# KiCad board RP2040-Breadstick Panel.kicad_pcb (continued)
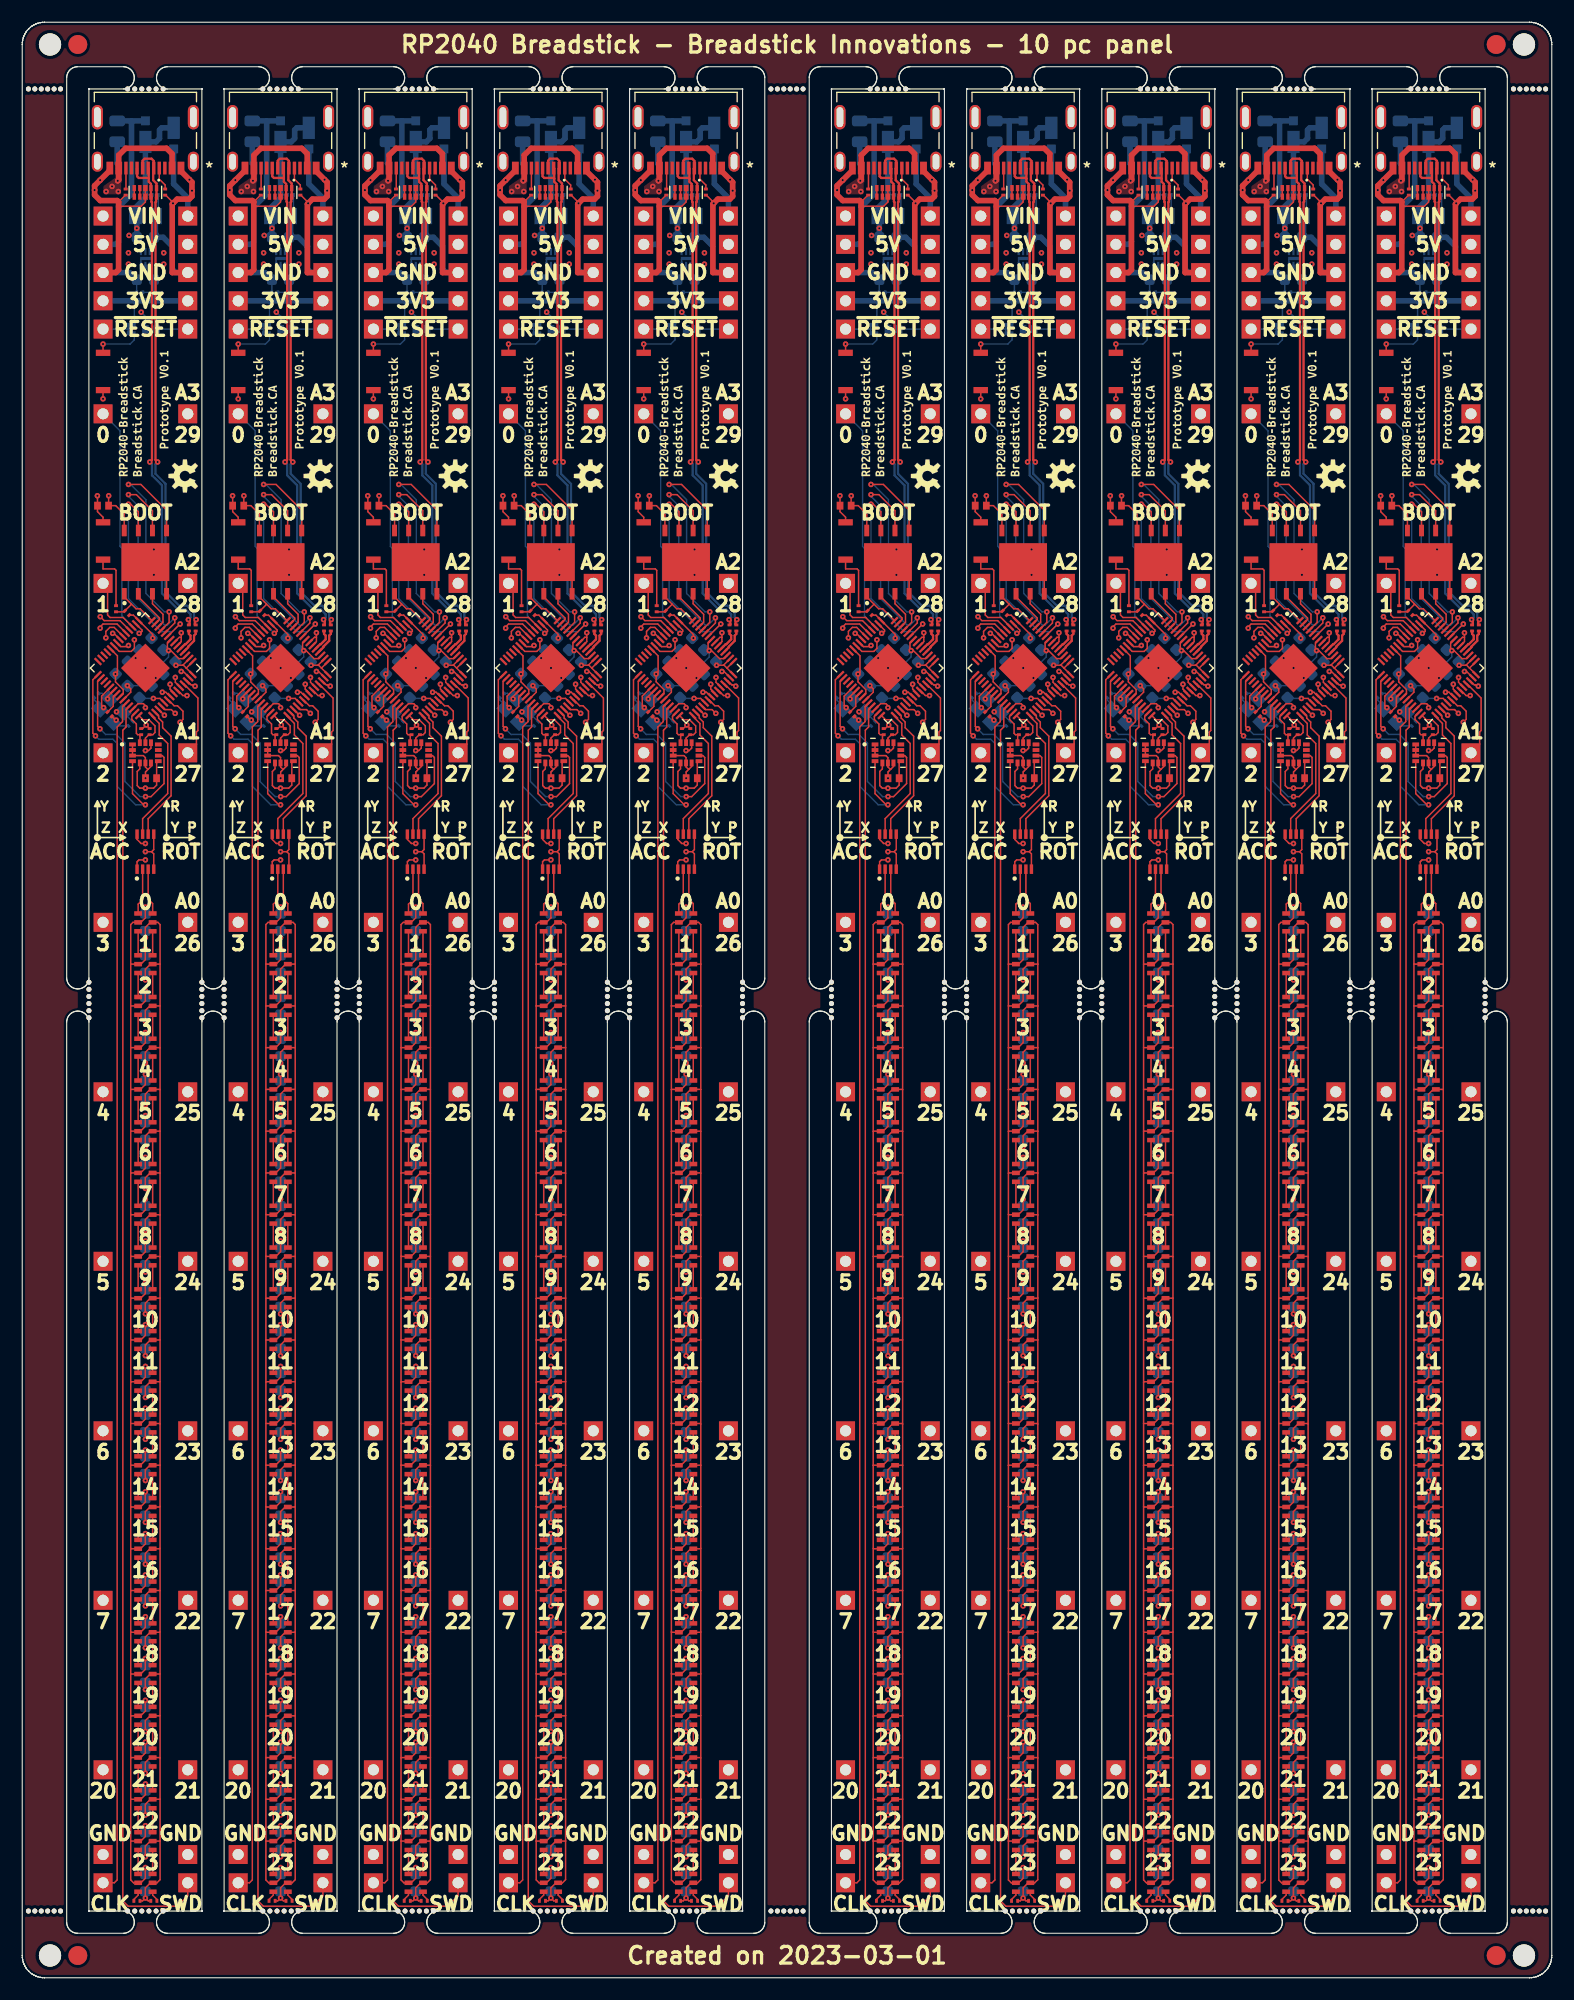
[diagram p0: board, top side]
## Placement (name value [footprint] x y rotation side) (continued)
C319#6  2.2uF 0603 10V  [C_0603_1608Metric]  126.52 34.82 270 bottom
C319#7  2.2uF 0603 10V  [C_0603_1608Metric]  11.08 34.82 270 bottom
C319#8  2.2uF 0603 10V  [C_0603_1608Metric]  77.88 34.82 270 bottom
C319#9  2.2uF 0603 10V  [C_0603_1608Metric]  102.2 34.82 270 bottom
C319#10  2.2uF 0603 10V  [C_0603_1608Metric]  59.72 34.82 270 bottom
C320  2.2uF 0603 10V  [C_0603_1608Metric]  59.72 31.07 270 bottom
C320#2  2.2uF 0603 10V  [C_0603_1608Metric]  77.88 31.07 270 bottom
C320#3  2.2uF 0603 10V  [C_0603_1608Metric]  114.36 31.07 270 bottom
C320#4  2.2uF 0603 10V  [C_0603_1608Metric]  11.08 31.07 270 bottom
C320#5  2.2uF 0603 10V  [C_0603_1608Metric]  102.2 31.07 270 bottom
C320#6  2.2uF 0603 10V  [C_0603_1608Metric]  23.24 31.07 270 bottom
C320#7  2.2uF 0603 10V  [C_0603_1608Metric]  126.52 31.07 270 bottom
C320#8  2.2uF 0603 10V  [C_0603_1608Metric]  35.4 31.07 270 bottom
C320#9  2.2uF 0603 10V  [C_0603_1608Metric]  47.56 31.07 270 bottom
C320#10  2.2uF 0603 10V  [C_0603_1608Metric]  90.04 31.07 270 bottom
C321  2.2uF 0603 10V  [C_0603_1608Metric]  77.88 27.31 270 bottom
C321#2  2.2uF 0603 10V  [C_0603_1608Metric]  90.04 27.31 270 bottom
C321#3  2.2uF 0603 10V  [C_0603_1608Metric]  126.52 27.31 270 bottom
C321#4  2.2uF 0603 10V  [C_0603_1608Metric]  114.36 27.31 270 bottom
C321#5  2.2uF 0603 10V  [C_0603_1608Metric]  47.56 27.31 270 bottom
C321#6  2.2uF 0603 10V  [C_0603_1608Metric]  59.72 27.31 270 bottom
C321#7  2.2uF 0603 10V  [C_0603_1608Metric]  35.4 27.31 270 bottom
C321#8  2.2uF 0603 10V  [C_0603_1608Metric]  102.2 27.31 270 bottom
C321#9  2.2uF 0603 10V  [C_0603_1608Metric]  11.08 27.31 270 bottom
C321#10  2.2uF 0603 10V  [C_0603_1608Metric]  23.24 27.31 270 bottom
C322  2.2uF 0603 10V  [C_0603_1608Metric]  114.36 23.56 270 bottom
C322#2  2.2uF 0603 10V  [C_0603_1608Metric]  102.2 23.56 270 bottom
C322#3  2.2uF 0603 10V  [C_0603_1608Metric]  35.4 23.56 270 bottom
C322#4  2.2uF 0603 10V  [C_0603_1608Metric]  11.08 23.56 270 bottom
C322#5  2.2uF 0603 10V  [C_0603_1608Metric]  23.24 23.56 270 bottom
C322#6  2.2uF 0603 10V  [C_0603_1608Metric]  126.52 23.56 270 bottom
C322#7  2.2uF 0603 10V  [C_0603_1608Metric]  47.56 23.56 270 bottom
C322#8  2.2uF 0603 10V  [C_0603_1608Metric]  90.04 23.56 270 bottom
C322#9  2.2uF 0603 10V  [C_0603_1608Metric]  59.72 23.56 270 bottom
C322#10  2.2uF 0603 10V  [C_0603_1608Metric]  77.88 23.56 270 bottom
C323  2.2uF 0603 10V  [C_0603_1608Metric]  102.2 19.8 270 bottom
C323#2  2.2uF 0603 10V  [C_0603_1608Metric]  59.72 19.8 270 bottom
C323#3  2.2uF 0603 10V  [C_0603_1608Metric]  77.88 19.8 270 bottom
C323#4  2.2uF 0603 10V  [C_0603_1608Metric]  126.52 19.8 270 bottom
C323#5  2.2uF 0603 10V  [C_0603_1608Metric]  35.4 19.8 270 bottom
C323#6  2.2uF 0603 10V  [C_0603_1608Metric]  47.56 19.8 270 bottom
C323#7  2.2uF 0603 10V  [C_0603_1608Metric]  90.04 19.8 270 bottom
C323#8  2.2uF 0603 10V  [C_0603_1608Metric]  23.24 19.8 270 bottom
C323#9  2.2uF 0603 10V  [C_0603_1608Metric]  11.08 19.8 270 bottom
C323#10  2.2uF 0603 10V  [C_0603_1608Metric]  114.36 19.8 270 bottom
C324  2.2uF 0603 10V  [C_0603_1608Metric]  90.04 16.05 270 bottom
C324#2  2.2uF 0603 10V  [C_0603_1608Metric]  126.52 16.05 270 bottom
C324#3  2.2uF 0603 10V  [C_0603_1608Metric]  35.4 16.05 270 bottom
C324#4  2.2uF 0603 10V  [C_0603_1608Metric]  11.08 16.05 270 bottom
C324#5  2.2uF 0603 10V  [C_0603_1608Metric]  114.36 16.05 270 bottom
C324#6  2.2uF 0603 10V  [C_0603_1608Metric]  23.24 16.05 270 bottom
C324#7  2.2uF 0603 10V  [C_0603_1608Metric]  102.2 16.05 270 bottom
C324#8  2.2uF 0603 10V  [C_0603_1608Metric]  47.56 16.05 270 bottom
C324#9  2.2uF 0603 10V  [C_0603_1608Metric]  59.72 16.05 270 bottom
C324#10  2.2uF 0603 10V  [C_0603_1608Metric]  77.88 16.05 270 bottom
C325  2.2uF 0603 10V  [C_0603_1608Metric]  114.36 12.29 270 bottom
C325#2  2.2uF 0603 10V  [C_0603_1608Metric]  90.04 12.29 270 bottom
C325#3  2.2uF 0603 10V  [C_0603_1608Metric]  77.88 12.29 270 bottom
C325#4  2.2uF 0603 10V  [C_0603_1608Metric]  47.56 12.29 270 bottom
C325#5  2.2uF 0603 10V  [C_0603_1608Metric]  23.24 12.29 270 bottom
C325#6  2.2uF 0603 10V  [C_0603_1608Metric]  102.2 12.29 270 bottom
C325#7  2.2uF 0603 10V  [C_0603_1608Metric]  11.08 12.29 270 bottom
C325#8  2.2uF 0603 10V  [C_0603_1608Metric]  59.72 12.29 270 bottom
C325#9  2.2uF 0603 10V  [C_0603_1608Metric]  35.4 12.29 270 bottom
C325#10  2.2uF 0603 10V  [C_0603_1608Metric]  126.52 12.29 270 bottom
C326  2.2uF 0603 10V  [C_0603_1608Metric]  59.72 8.54 270 bottom
C326#2  2.2uF 0603 10V  [C_0603_1608Metric]  77.88 8.54 270 bottom
C326#3  2.2uF 0603 10V  [C_0603_1608Metric]  23.24 8.54 270 bottom
C326#4  2.2uF 0603 10V  [C_0603_1608Metric]  126.52 8.54 270 bottom
C326#5  2.2uF 0603 10V  [C_0603_1608Metric]  47.56 8.54 270 bottom
C326#6  2.2uF 0603 10V  [C_0603_1608Metric]  35.4 8.54 270 bottom
C326#7  2.2uF 0603 10V  [C_0603_1608Metric]  114.36 8.54 270 bottom
C326#8  2.2uF 0603 10V  [C_0603_1608Metric]  11.08 8.54 270 bottom
C326#9  2.2uF 0603 10V  [C_0603_1608Metric]  102.2 8.54 270 bottom
C326#10  2.2uF 0603 10V  [C_0603_1608Metric]  90.04 8.54 270 bottom
C401  1uF 0402 10V  [Perfect_0402_Cap]  78.39 107.85 90 top
C401#2  1uF 0402 10V  [Perfect_0402_Cap]  11.59 107.85 90 top
C401#3  1uF 0402 10V  [Perfect_0402_Cap]  102.71 107.85 90 top
C401#4  1uF 0402 10V  [Perfect_0402_Cap]  48.07 107.85 90 top
C401#5  1uF 0402 10V  [Perfect_0402_Cap]  127.03 107.85 90 top
C401#6  1uF 0402 10V  [Perfect_0402_Cap]  23.75 107.85 90 top
C401#7  1uF 0402 10V  [Perfect_0402_Cap]  114.87 107.85 90 top
C401#8  1uF 0402 10V  [Perfect_0402_Cap]  60.23 107.85 90 top
C401#9  1uF 0402 10V  [Perfect_0402_Cap]  35.91 107.85 90 top
C401#10  1uF 0402 10V  [Perfect_0402_Cap]  90.55 107.85 90 top
C501  47uF 0805 6.3V Tant  [CAPC2012X140N]  102.2 158.4 0 bottom
C501#2  47uF 0805 6.3V Tant  [CAPC2012X140N]  35.4 158.4 0 bottom
C501#3  47uF 0805 6.3V Tant  [CAPC2012X140N]  23.24 158.4 0 bottom
C501#4  47uF 0805 6.3V Tant  [CAPC2012X140N]  126.52 158.4 0 bottom
C501#5  47uF 0805 6.3V Tant  [CAPC2012X140N]  90.04 158.4 0 bottom
C501#6  47uF 0805 6.3V Tant  [CAPC2012X140N]  114.36 158.4 0 bottom
C501#7  47uF 0805 6.3V Tant  [CAPC2012X140N]  77.88 158.4 0 bottom
C501#8  47uF 0805 6.3V Tant  [CAPC2012X140N]  47.56 158.4 0 bottom
C501#9  47uF 0805 6.3V Tant  [CAPC2012X140N]  11.08 158.4 0 bottom
C501#10  47uF 0805 6.3V Tant  [CAPC2012X140N]  59.72 158.4 0 bottom
C502  2.2uF 0603 10V  [C_0603_1608Metric]  90.04 156.5 0 bottom
C502#2  2.2uF 0603 10V  [C_0603_1608Metric]  59.72 156.5 0 bottom
C502#3  2.2uF 0603 10V  [C_0603_1608Metric]  114.36 156.5 0 bottom
C502#4  2.2uF 0603 10V  [C_0603_1608Metric]  23.24 156.5 0 bottom
C502#5  2.2uF 0603 10V  [C_0603_1608Metric]  126.52 156.5 0 bottom
C502#6  2.2uF 0603 10V  [C_0603_1608Metric]  35.4 156.5 0 bottom
C502#7  2.2uF 0603 10V  [C_0603_1608Metric]  11.08 156.5 0 bottom
C502#8  2.2uF 0603 10V  [C_0603_1608Metric]  102.2 156.5 0 bottom
C502#9  2.2uF 0603 10V  [C_0603_1608Metric]  47.56 156.5 0 bottom
C502#10  2.2uF 0603 10V  [C_0603_1608Metric]  77.88 156.5 0 bottom
C503  2.2uF 0603 10V  [C_0603_1608Metric]  59.72 152.69 180 bottom
C503#2  2.2uF 0603 10V  [C_0603_1608Metric]  11.08 152.69 180 bottom
C503#3  2.2uF 0603 10V  [C_0603_1608Metric]  114.36 152.69 180 bottom
C503#4  2.2uF 0603 10V  [C_0603_1608Metric]  47.56 152.69 180 bottom
C503#5  2.2uF 0603 10V  [C_0603_1608Metric]  35.4 152.69 180 bottom
C503#6  2.2uF 0603 10V  [C_0603_1608Metric]  126.52 152.69 180 bottom
C503#7  2.2uF 0603 10V  [C_0603_1608Metric]  77.88 152.69 180 bottom
C503#8  2.2uF 0603 10V  [C_0603_1608Metric]  23.24 152.69 180 bottom
C503#9  2.2uF 0603 10V  [C_0603_1608Metric]  102.2 152.69 180 bottom
C503#10  2.2uF 0603 10V  [C_0603_1608Metric]  90.04 152.69 180 bottom
D501  2A  [DIO_V2PM15HM3_H]  80.42 165.39 270 bottom
D501#2  2A  [DIO_V2PM15HM3_H]  116.9 165.39 270 bottom
D501#3  2A  [DIO_V2PM15HM3_H]  92.58 165.39 270 bottom
D501#4  2A  [DIO_V2PM15HM3_H]  25.78 165.39 270 bottom
D501#5  2A  [DIO_V2PM15HM3_H]  13.62 165.39 270 bottom
D501#6  2A  [DIO_V2PM15HM3_H]  104.74 165.39 270 bottom
D501#7  2A  [DIO_V2PM15HM3_H]  129.06 165.39 270 bottom
D501#8  2A  [DIO_V2PM15HM3_H]  37.94 165.39 270 bottom
D501#9  2A  [DIO_V2PM15HM3_H]  50.1 165.39 270 bottom
D501#10  2A  [DIO_V2PM15HM3_H]  62.26 165.39 270 bottom
D502  2A  [DIO_V2PM15HM3_H]  90.04 166.02 90 bottom
D502#2  2A  [DIO_V2PM15HM3_H]  23.24 166.02 90 bottom
D502#3  2A  [DIO_V2PM15HM3_H]  126.52 166.02 90 bottom
D502#4  2A  [DIO_V2PM15HM3_H]  114.36 166.02 90 bottom
D502#5  2A  [DIO_V2PM15HM3_H]  59.72 166.02 90 bottom
D502#6  2A  [DIO_V2PM15HM3_H]  11.08 166.02 90 bottom
D502#7  2A  [DIO_V2PM15HM3_H]  77.88 166.02 90 bottom
D502#8  2A  [DIO_V2PM15HM3_H]  47.56 166.02 90 bottom
D502#9  2A  [DIO_V2PM15HM3_H]  102.2 166.02 90 bottom
D502#10  2A  [DIO_V2PM15HM3_H]  35.4 166.02 90 bottom
F501  4A USB PTC  [Fuse_0805_2012Metric]  45.02 166.02 90 bottom
F501#2  4A USB PTC  [Fuse_0805_2012Metric]  111.82 166.02 90 bottom
F501#3  4A USB PTC  [Fuse_0805_2012Metric]  75.34 166.02 90 bottom
F501#4  4A USB PTC  [Fuse_0805_2012Metric]  87.5 166.02 90 bottom
F501#5  4A USB PTC  [Fuse_0805_2012Metric]  32.86 166.02 90 bottom
F501#6  4A USB PTC  [Fuse_0805_2012Metric]  8.54 166.02 90 bottom
F501#7  4A USB PTC  [Fuse_0805_2012Metric]  123.98 166.02 90 bottom
F501#8  4A USB PTC  [Fuse_0805_2012Metric]  57.18 166.02 90 bottom
F501#9  4A USB PTC  [Fuse_0805_2012Metric]  99.66 166.02 90 bottom
F501#10  4A USB PTC  [Fuse_0805_2012Metric]  20.7 166.02 90 bottom
IC301  -  [74AXP2T45DCH]  90.04 101.25 90 top
IC301#2  -  [74AXP2T45DCH]  114.36 101.25 90 top
IC301#3  -  [74AXP2T45DCH]  11.08 101.25 90 top
IC301#4  -  [74AXP2T45DCH]  102.2 101.25 90 top
IC301#5  -  [74AXP2T45DCH]  59.72 101.25 90 top
IC301#6  -  [74AXP2T45DCH]  47.56 101.25 90 top
IC301#7  -  [74AXP2T45DCH]  23.24 101.25 90 top
IC301#8  -  [74AXP2T45DCH]  77.88 101.25 90 top
IC301#9  -  [74AXP2T45DCH]  35.4 101.25 90 top
IC301#10  -  [74AXP2T45DCH]  126.52 101.25 90 top
J201  Conn_01x01  [PinHeader_1x01_P2.54mm_Vertical]  27.05 148.24 180 bottom
J201#2  Conn_01x01  [PinHeader_1x01_P2.54mm_Vertical]  81.69 148.24 180 bottom
J201#3  Conn_01x01  [PinHeader_1x01_P2.54mm_Vertical]  130.33 148.24 180 bottom
J201#4  Conn_01x01  [PinHeader_1x01_P2.54mm_Vertical]  63.53 148.24 180 bottom
J201#5  Conn_01x01  [PinHeader_1x01_P2.54mm_Vertical]  51.37 148.24 180 bottom
J201#6  Conn_01x01  [PinHeader_1x01_P2.54mm_Vertical]  39.21 148.24 180 bottom
J201#7  Conn_01x01  [PinHeader_1x01_P2.54mm_Vertical]  118.17 148.24 180 bottom
J201#8  Conn_01x01  [PinHeader_1x01_P2.54mm_Vertical]  93.85 148.24 180 bottom
J201#9  Conn_01x01  [PinHeader_1x01_P2.54mm_Vertical]  106.01 148.24 180 bottom
J201#10  Conn_01x01  [PinHeader_1x01_P2.54mm_Vertical]  14.89 148.24 180 bottom
J202  Conn_01x01  [PinHeader_1x01_P2.54mm_Vertical]  39.21 79.66 180 bottom
J202#2  Conn_01x01  [PinHeader_1x01_P2.54mm_Vertical]  106.01 79.66 180 bottom
J202#3  Conn_01x01  [PinHeader_1x01_P2.54mm_Vertical]  93.85 79.66 180 bottom
J202#4  Conn_01x01  [PinHeader_1x01_P2.54mm_Vertical]  118.17 79.66 180 bottom
J202#5  Conn_01x01  [PinHeader_1x01_P2.54mm_Vertical]  130.33 79.66 180 bottom
J202#6  Conn_01x01  [PinHeader_1x01_P2.54mm_Vertical]  14.89 79.66 180 bottom
J202#7  Conn_01x01  [PinHeader_1x01_P2.54mm_Vertical]  51.37 79.66 180 bottom
J202#8  Conn_01x01  [PinHeader_1x01_P2.54mm_Vertical]  27.05 79.66 180 bottom
J202#9  Conn_01x01  [PinHeader_1x01_P2.54mm_Vertical]  81.69 79.66 180 bottom
J202#10  Conn_01x01  [PinHeader_1x01_P2.54mm_Vertical]  63.53 79.66 180 bottom
J203  Conn_01x01  [PinHeader_1x01_P2.54mm_Vertical]  27.05 18.7 180 bottom
J203#2  Conn_01x01  [PinHeader_1x01_P2.54mm_Vertical]  81.69 18.7 180 bottom
J203#3  Conn_01x01  [PinHeader_1x01_P2.54mm_Vertical]  14.89 18.7 180 bottom
J203#4  Conn_01x01  [PinHeader_1x01_P2.54mm_Vertical]  93.85 18.7 180 bottom
J203#5  Conn_01x01  [PinHeader_1x01_P2.54mm_Vertical]  118.17 18.7 180 bottom
J203#6  Conn_01x01  [PinHeader_1x01_P2.54mm_Vertical]  51.37 18.7 180 bottom
J203#7  Conn_01x01  [PinHeader_1x01_P2.54mm_Vertical]  63.53 18.7 180 bottom
J203#8  Conn_01x01  [PinHeader_1x01_P2.54mm_Vertical]  39.21 18.7 180 bottom
J203#9  Conn_01x01  [PinHeader_1x01_P2.54mm_Vertical]  106.01 18.7 180 bottom
J203#10  Conn_01x01  [PinHeader_1x01_P2.54mm_Vertical]  130.33 18.7 180 bottom
J204  Conn_01x01  [PinHeader_1x01_P2.54mm_Vertical]  7.27 18.7 180 bottom
J204#2  Conn_01x01  [PinHeader_1x01_P2.54mm_Vertical]  19.43 18.7 180 bottom
J204#3  Conn_01x01  [PinHeader_1x01_P2.54mm_Vertical]  86.23 18.7 180 bottom
J204#4  Conn_01x01  [PinHeader_1x01_P2.54mm_Vertical]  74.07 18.7 180 bottom
J204#5  Conn_01x01  [PinHeader_1x01_P2.54mm_Vertical]  110.55 18.7 180 bottom
J204#6  Conn_01x01  [PinHeader_1x01_P2.54mm_Vertical]  98.39 18.7 180 bottom
J204#7  Conn_01x01  [PinHeader_1x01_P2.54mm_Vertical]  122.71 18.7 180 bottom
J204#8  Conn_01x01  [PinHeader_1x01_P2.54mm_Vertical]  43.75 18.7 180 bottom
J204#9  Conn_01x01  [PinHeader_1x01_P2.54mm_Vertical]  31.59 18.7 180 bottom
J204#10  Conn_01x01  [PinHeader_1x01_P2.54mm_Vertical]  55.91 18.7 180 bottom
J205  Conn_01x01  [PinHeader_1x01_P2.54mm_Vertical]  74.07 140.62 180 bottom
J205#2  Conn_01x01  [PinHeader_1x01_P2.54mm_Vertical]  86.23 140.62 180 bottom
J205#3  Conn_01x01  [PinHeader_1x01_P2.54mm_Vertical]  19.43 140.62 180 bottom
J205#4  Conn_01x01  [PinHeader_1x01_P2.54mm_Vertical]  43.75 140.62 180 bottom
J205#5  Conn_01x01  [PinHeader_1x01_P2.54mm_Vertical]  31.59 140.62 180 bottom
J205#6  Conn_01x01  [PinHeader_1x01_P2.54mm_Vertical]  122.71 140.62 180 bottom
J205#7  Conn_01x01  [PinHeader_1x01_P2.54mm_Vertical]  110.55 140.62 180 bottom
J205#8  Conn_01x01  [PinHeader_1x01_P2.54mm_Vertical]  55.91 140.62 180 bottom
J205#9  Conn_01x01  [PinHeader_1x01_P2.54mm_Vertical]  7.27 140.62 180 bottom
J205#10  Conn_01x01  [PinHeader_1x01_P2.54mm_Vertical]  98.39 140.62 180 bottom
J206  Conn_01x01  [PinHeader_1x01_P2.54mm_Vertical]  19.43 125.38 180 bottom
J206#2  Conn_01x01  [PinHeader_1x01_P2.54mm_Vertical]  98.39 125.38 180 bottom
J206#3  Conn_01x01  [PinHeader_1x01_P2.54mm_Vertical]  7.27 125.38 180 bottom
J206#4  Conn_01x01  [PinHeader_1x01_P2.54mm_Vertical]  110.55 125.38 180 bottom
J206#5  Conn_01x01  [PinHeader_1x01_P2.54mm_Vertical]  122.71 125.38 180 bottom
J206#6  Conn_01x01  [PinHeader_1x01_P2.54mm_Vertical]  86.23 125.38 180 bottom
J206#7  Conn_01x01  [PinHeader_1x01_P2.54mm_Vertical]  31.59 125.38 180 bottom
J206#8  Conn_01x01  [PinHeader_1x01_P2.54mm_Vertical]  43.75 125.38 180 bottom
J206#9  Conn_01x01  [PinHeader_1x01_P2.54mm_Vertical]  55.91 125.38 180 bottom
J206#10  Conn_01x01  [PinHeader_1x01_P2.54mm_Vertical]  74.07 125.38 180 bottom
J207  Conn_01x01  [PinHeader_1x01_P2.54mm_Vertical]  55.91 110.14 180 bottom
J207#2  Conn_01x01  [PinHeader_1x01_P2.54mm_Vertical]  43.75 110.14 180 bottom
J207#3  Conn_01x01  [PinHeader_1x01_P2.54mm_Vertical]  31.59 110.14 180 bottom
J207#4  Conn_01x01  [PinHeader_1x01_P2.54mm_Vertical]  7.27 110.14 180 bottom
J207#5  Conn_01x01  [PinHeader_1x01_P2.54mm_Vertical]  19.43 110.14 180 bottom
J207#6  Conn_01x01  [PinHeader_1x01_P2.54mm_Vertical]  74.07 110.14 180 bottom
J207#7  Conn_01x01  [PinHeader_1x01_P2.54mm_Vertical]  110.55 110.14 180 bottom
J207#8  Conn_01x01  [PinHeader_1x01_P2.54mm_Vertical]  122.71 110.14 180 bottom
J207#9  Conn_01x01  [PinHeader_1x01_P2.54mm_Vertical]  98.39 110.14 180 bottom
J207#10  Conn_01x01  [PinHeader_1x01_P2.54mm_Vertical]  86.23 110.14 180 bottom
J208  Conn_01x01  [PinHeader_1x01_P2.54mm_Vertical]  55.91 94.9 180 bottom
J208#2  Conn_01x01  [PinHeader_1x01_P2.54mm_Vertical]  122.71 94.9 180 bottom
J208#3  Conn_01x01  [PinHeader_1x01_P2.54mm_Vertical]  19.43 94.9 180 bottom
J208#4  Conn_01x01  [PinHeader_1x01_P2.54mm_Vertical]  98.39 94.9 180 bottom
J208#5  Conn_01x01  [PinHeader_1x01_P2.54mm_Vertical]  31.59 94.9 180 bottom
J208#6  Conn_01x01  [PinHeader_1x01_P2.54mm_Vertical]  7.27 94.9 180 bottom
J208#7  Conn_01x01  [PinHeader_1x01_P2.54mm_Vertical]  110.55 94.9 180 bottom
J208#8  Conn_01x01  [PinHeader_1x01_P2.54mm_Vertical]  74.07 94.9 180 bottom
J208#9  Conn_01x01  [PinHeader_1x01_P2.54mm_Vertical]  86.23 94.9 180 bottom
J208#10  Conn_01x01  [PinHeader_1x01_P2.54mm_Vertical]  43.75 94.9 180 bottom
J209  Conn_01x01  [PinHeader_1x01_P2.54mm_Vertical]  122.71 79.66 180 bottom
J209#2  Conn_01x01  [PinHeader_1x01_P2.54mm_Vertical]  55.91 79.66 180 bottom
J209#3  Conn_01x01  [PinHeader_1x01_P2.54mm_Vertical]  7.27 79.66 180 bottom
J209#4  Conn_01x01  [PinHeader_1x01_P2.54mm_Vertical]  110.55 79.66 180 bottom
J209#5  Conn_01x01  [PinHeader_1x01_P2.54mm_Vertical]  98.39 79.66 180 bottom
J209#6  Conn_01x01  [PinHeader_1x01_P2.54mm_Vertical]  19.43 79.66 180 bottom
J209#7  Conn_01x01  [PinHeader_1x01_P2.54mm_Vertical]  86.23 79.66 180 bottom
J209#8  Conn_01x01  [PinHeader_1x01_P2.54mm_Vertical]  74.07 79.66 180 bottom
J209#9  Conn_01x01  [PinHeader_1x01_P2.54mm_Vertical]  31.59 79.66 180 bottom
J209#10  Conn_01x01  [PinHeader_1x01_P2.54mm_Vertical]  43.75 79.66 180 bottom
J210  Conn_01x01  [PinHeader_1x01_P2.54mm_Vertical]  74.07 64.42 180 bottom
J210#2  Conn_01x01  [PinHeader_1x01_P2.54mm_Vertical]  31.59 64.42 180 bottom
J210#3  Conn_01x01  [PinHeader_1x01_P2.54mm_Vertical]  7.27 64.42 180 bottom
J210#4  Conn_01x01  [PinHeader_1x01_P2.54mm_Vertical]  86.23 64.42 180 bottom
J210#5  Conn_01x01  [PinHeader_1x01_P2.54mm_Vertical]  122.71 64.42 180 bottom
J210#6  Conn_01x01  [PinHeader_1x01_P2.54mm_Vertical]  98.39 64.42 180 bottom
J210#7  Conn_01x01  [PinHeader_1x01_P2.54mm_Vertical]  19.43 64.42 180 bottom
J210#8  Conn_01x01  [PinHeader_1x01_P2.54mm_Vertical]  55.91 64.42 180 bottom
J210#9  Conn_01x01  [PinHeader_1x01_P2.54mm_Vertical]  110.55 64.42 180 bottom
J210#10  Conn_01x01  [PinHeader_1x01_P2.54mm_Vertical]  43.75 64.42 180 bottom
J211  Conn_01x01  [PinHeader_1x01_P2.54mm_Vertical]  7.27 49.18 180 bottom
J211#2  Conn_01x01  [PinHeader_1x01_P2.54mm_Vertical]  110.55 49.18 180 bottom
J211#3  Conn_01x01  [PinHeader_1x01_P2.54mm_Vertical]  98.39 49.18 180 bottom
J211#4  Conn_01x01  [PinHeader_1x01_P2.54mm_Vertical]  43.75 49.18 180 bottom
J211#5  Conn_01x01  [PinHeader_1x01_P2.54mm_Vertical]  86.23 49.18 180 bottom
J211#6  Conn_01x01  [PinHeader_1x01_P2.54mm_Vertical]  122.71 49.18 180 bottom
J211#7  Conn_01x01  [PinHeader_1x01_P2.54mm_Vertical]  19.43 49.18 180 bottom
J211#8  Conn_01x01  [PinHeader_1x01_P2.54mm_Vertical]  55.91 49.18 180 bottom
J211#9  Conn_01x01  [PinHeader_1x01_P2.54mm_Vertical]  74.07 49.18 180 bottom
J211#10  Conn_01x01  [PinHeader_1x01_P2.54mm_Vertical]  31.59 49.18 180 bottom
J212  Conn_01x01  [PinHeader_1x01_P2.54mm_Vertical]  110.55 33.94 180 bottom
J212#2  Conn_01x01  [PinHeader_1x01_P2.54mm_Vertical]  122.71 33.94 180 bottom
J212#3  Conn_01x01  [PinHeader_1x01_P2.54mm_Vertical]  7.27 33.94 180 bottom
J212#4  Conn_01x01  [PinHeader_1x01_P2.54mm_Vertical]  98.39 33.94 180 bottom
J212#5  Conn_01x01  [PinHeader_1x01_P2.54mm_Vertical]  19.43 33.94 180 bottom
J212#6  Conn_01x01  [PinHeader_1x01_P2.54mm_Vertical]  55.91 33.94 180 bottom
J212#7  Conn_01x01  [PinHeader_1x01_P2.54mm_Vertical]  43.75 33.94 180 bottom
J212#8  Conn_01x01  [PinHeader_1x01_P2.54mm_Vertical]  86.23 33.94 180 bottom
J212#9  Conn_01x01  [PinHeader_1x01_P2.54mm_Vertical]  31.59 33.94 180 bottom
J212#10  Conn_01x01  [PinHeader_1x01_P2.54mm_Vertical]  74.07 33.94 180 bottom
J213  Conn_01x01  [PinHeader_1x01_P2.54mm_Vertical]  51.37 33.94 180 bottom
J213#2  Conn_01x01  [PinHeader_1x01_P2.54mm_Vertical]  130.33 33.94 180 bottom
J213#3  Conn_01x01  [PinHeader_1x01_P2.54mm_Vertical]  93.85 33.94 180 bottom
J213#4  Conn_01x01  [PinHeader_1x01_P2.54mm_Vertical]  106.01 33.94 180 bottom
J213#5  Conn_01x01  [PinHeader_1x01_P2.54mm_Vertical]  118.17 33.94 180 bottom
J213#6  Conn_01x01  [PinHeader_1x01_P2.54mm_Vertical]  39.21 33.94 180 bottom
J213#7  Conn_01x01  [PinHeader_1x01_P2.54mm_Vertical]  63.53 33.94 180 bottom
J213#8  Conn_01x01  [PinHeader_1x01_P2.54mm_Vertical]  14.89 33.94 180 bottom
J213#9  Conn_01x01  [PinHeader_1x01_P2.54mm_Vertical]  27.05 33.94 180 bottom
J213#10  Conn_01x01  [PinHeader_1x01_P2.54mm_Vertical]  81.69 33.94 180 bottom
J214  Conn_01x01  [PinHeader_1x01_P2.54mm_Vertical]  118.17 49.18 180 bottom
J214#2  Conn_01x01  [PinHeader_1x01_P2.54mm_Vertical]  63.53 49.18 180 bottom
J214#3  Conn_01x01  [PinHeader_1x01_P2.54mm_Vertical]  14.89 49.18 180 bottom
J214#4  Conn_01x01  [PinHeader_1x01_P2.54mm_Vertical]  93.85 49.18 180 bottom
J214#5  Conn_01x01  [PinHeader_1x01_P2.54mm_Vertical]  27.05 49.18 180 bottom
J214#6  Conn_01x01  [PinHeader_1x01_P2.54mm_Vertical]  39.21 49.18 180 bottom
J214#7  Conn_01x01  [PinHeader_1x01_P2.54mm_Vertical]  51.37 49.18 180 bottom
J214#8  Conn_01x01  [PinHeader_1x01_P2.54mm_Vertical]  130.33 49.18 180 bottom
J214#9  Conn_01x01  [PinHeader_1x01_P2.54mm_Vertical]  81.69 49.18 180 bottom
J214#10  Conn_01x01  [PinHeader_1x01_P2.54mm_Vertical]  106.01 49.18 180 bottom
J215  Conn_01x01  [PinHeader_1x01_P2.54mm_Vertical]  63.53 64.42 180 bottom
J215#2  Conn_01x01  [PinHeader_1x01_P2.54mm_Vertical]  51.37 64.42 180 bottom
J215#3  Conn_01x01  [PinHeader_1x01_P2.54mm_Vertical]  14.89 64.42 180 bottom
J215#4  Conn_01x01  [PinHeader_1x01_P2.54mm_Vertical]  130.33 64.42 180 bottom
J215#5  Conn_01x01  [PinHeader_1x01_P2.54mm_Vertical]  39.21 64.42 180 bottom
J215#6  Conn_01x01  [PinHeader_1x01_P2.54mm_Vertical]  106.01 64.42 180 bottom
J215#7  Conn_01x01  [PinHeader_1x01_P2.54mm_Vertical]  81.69 64.42 180 bottom
J215#8  Conn_01x01  [PinHeader_1x01_P2.54mm_Vertical]  27.05 64.42 180 bottom
J215#9  Conn_01x01  [PinHeader_1x01_P2.54mm_Vertical]  118.17 64.42 180 bottom
J215#10  Conn_01x01  [PinHeader_1x01_P2.54mm_Vertical]  93.85 64.42 180 bottom
J217  Conn_01x01  [PinHeader_1x01_P2.54mm_Vertical]  51.37 140.62 180 bottom
J217#2  Conn_01x01  [PinHeader_1x01_P2.54mm_Vertical]  63.53 140.62 180 bottom
J217#3  Conn_01x01  [PinHeader_1x01_P2.54mm_Vertical]  39.21 140.62 180 bottom
J217#4  Conn_01x01  [PinHeader_1x01_P2.54mm_Vertical]  27.05 140.62 180 bottom
J217#5  Conn_01x01  [PinHeader_1x01_P2.54mm_Vertical]  106.01 140.62 180 bottom
J217#6  Conn_01x01  [PinHeader_1x01_P2.54mm_Vertical]  93.85 140.62 180 bottom
J217#7  Conn_01x01  [PinHeader_1x01_P2.54mm_Vertical]  118.17 140.62 180 bottom
J217#8  Conn_01x01  [PinHeader_1x01_P2.54mm_Vertical]  81.69 140.62 180 bottom
J217#9  Conn_01x01  [PinHeader_1x01_P2.54mm_Vertical]  14.89 140.62 180 bottom
J217#10  Conn_01x01  [PinHeader_1x01_P2.54mm_Vertical]  130.33 140.62 180 bottom
J218  Conn_01x01  [PinHeader_1x01_P2.54mm_Vertical]  93.85 125.38 180 bottom
J218#2  Conn_01x01  [PinHeader_1x01_P2.54mm_Vertical]  106.01 125.38 180 bottom
J218#3  Conn_01x01  [PinHeader_1x01_P2.54mm_Vertical]  130.33 125.38 180 bottom
J218#4  Conn_01x01  [PinHeader_1x01_P2.54mm_Vertical]  39.21 125.38 180 bottom
J218#5  Conn_01x01  [PinHeader_1x01_P2.54mm_Vertical]  27.05 125.38 180 bottom
J218#6  Conn_01x01  [PinHeader_1x01_P2.54mm_Vertical]  14.89 125.38 180 bottom
J218#7  Conn_01x01  [PinHeader_1x01_P2.54mm_Vertical]  81.69 125.38 180 bottom
J218#8  Conn_01x01  [PinHeader_1x01_P2.54mm_Vertical]  118.17 125.38 180 bottom
J218#9  Conn_01x01  [PinHeader_1x01_P2.54mm_Vertical]  63.53 125.38 180 bottom
J218#10  Conn_01x01  [PinHeader_1x01_P2.54mm_Vertical]  51.37 125.38 180 bottom
J219  Conn_01x01  [PinHeader_1x01_P2.54mm_Vertical]  14.89 110.14 180 bottom
J219#2  Conn_01x01  [PinHeader_1x01_P2.54mm_Vertical]  27.05 110.14 180 bottom
J219#3  Conn_01x01  [PinHeader_1x01_P2.54mm_Vertical]  130.33 110.14 180 bottom
J219#4  Conn_01x01  [PinHeader_1x01_P2.54mm_Vertical]  51.37 110.14 180 bottom
J219#5  Conn_01x01  [PinHeader_1x01_P2.54mm_Vertical]  81.69 110.14 180 bottom
J219#6  Conn_01x01  [PinHeader_1x01_P2.54mm_Vertical]  39.21 110.14 180 bottom
J219#7  Conn_01x01  [PinHeader_1x01_P2.54mm_Vertical]  106.01 110.14 180 bottom
J219#8  Conn_01x01  [PinHeader_1x01_P2.54mm_Vertical]  118.17 110.14 180 bottom
J219#9  Conn_01x01  [PinHeader_1x01_P2.54mm_Vertical]  93.85 110.14 180 bottom
J219#10  Conn_01x01  [PinHeader_1x01_P2.54mm_Vertical]  63.53 110.14 180 bottom
J220  Conn_01x01  [PinHeader_1x01_P2.54mm_Vertical]  130.33 94.9 180 bottom
J220#2  Conn_01x01  [PinHeader_1x01_P2.54mm_Vertical]  63.53 94.9 180 bottom
J220#3  Conn_01x01  [PinHeader_1x01_P2.54mm_Vertical]  93.85 94.9 180 bottom
J220#4  Conn_01x01  [PinHeader_1x01_P2.54mm_Vertical]  27.05 94.9 180 bottom
J220#5  Conn_01x01  [PinHeader_1x01_P2.54mm_Vertical]  39.21 94.9 180 bottom
J220#6  Conn_01x01  [PinHeader_1x01_P2.54mm_Vertical]  51.37 94.9 180 bottom
J220#7  Conn_01x01  [PinHeader_1x01_P2.54mm_Vertical]  118.17 94.9 180 bottom
J220#8  Conn_01x01  [PinHeader_1x01_P2.54mm_Vertical]  106.01 94.9 180 bottom
J220#9  Conn_01x01  [PinHeader_1x01_P2.54mm_Vertical]  81.69 94.9 180 bottom
J220#10  Conn_01x01  [PinHeader_1x01_P2.54mm_Vertical]  14.89 94.9 180 bottom
J221  2171790001  [USB-C-2171790001]  114.36 166.02 180 top
J221#2  2171790001  [USB-C-2171790001]  90.04 166.02 180 top
J221#3  2171790001  [USB-C-2171790001]  35.4 166.02 180 top
J221#4  2171790001  [USB-C-2171790001]  126.52 166.02 180 top
J221#5  2171790001  [USB-C-2171790001]  23.24 166.02 180 top
J221#6  2171790001  [USB-C-2171790001]  59.72 166.02 180 top
J221#7  2171790001  [USB-C-2171790001]  11.08 166.02 180 top
J221#8  2171790001  [USB-C-2171790001]  47.56 166.02 180 top
J221#9  2171790001  [USB-C-2171790001]  77.88 166.02 180 top
J221#10  2171790001  [USB-C-2171790001]  102.2 166.02 180 top
J222  Conn_01x01  [PinHeader_1x01_P2.54mm_Vertical]  74.07 148.24 180 bottom
J222#2  Conn_01x01  [PinHeader_1x01_P2.54mm_Vertical]  19.43 148.24 180 bottom
J222#3  Conn_01x01  [PinHeader_1x01_P2.54mm_Vertical]  55.91 148.24 180 bottom
J222#4  Conn_01x01  [PinHeader_1x01_P2.54mm_Vertical]  122.71 148.24 180 bottom
J222#5  Conn_01x01  [PinHeader_1x01_P2.54mm_Vertical]  110.55 148.24 180 bottom
J222#6  Conn_01x01  [PinHeader_1x01_P2.54mm_Vertical]  31.59 148.24 180 bottom
J222#7  Conn_01x01  [PinHeader_1x01_P2.54mm_Vertical]  98.39 148.24 180 bottom
J222#8  Conn_01x01  [PinHeader_1x01_P2.54mm_Vertical]  7.27 148.24 180 bottom
J222#9  Conn_01x01  [PinHeader_1x01_P2.54mm_Vertical]  86.23 148.24 180 bottom
J222#10  Conn_01x01  [PinHeader_1x01_P2.54mm_Vertical]  43.75 148.24 180 bottom
J223  Conn_01x01  [PinHeader_1x01_P2.54mm_Vertical]  31.59 8.54 180 bottom
J223#2  Conn_01x01  [PinHeader_1x01_P2.54mm_Vertical]  19.43 8.54 180 bottom
J223#3  Conn_01x01  [PinHeader_1x01_P2.54mm_Vertical]  122.71 8.54 180 bottom
J223#4  Conn_01x01  [PinHeader_1x01_P2.54mm_Vertical]  55.91 8.54 180 bottom
J223#5  Conn_01x01  [PinHeader_1x01_P2.54mm_Vertical]  43.75 8.54 180 bottom
J223#6  Conn_01x01  [PinHeader_1x01_P2.54mm_Vertical]  74.07 8.54 180 bottom
J223#7  Conn_01x01  [PinHeader_1x01_P2.54mm_Vertical]  98.39 8.54 180 bottom
J223#8  Conn_01x01  [PinHeader_1x01_P2.54mm_Vertical]  110.55 8.54 180 bottom
J223#9  Conn_01x01  [PinHeader_1x01_P2.54mm_Vertical]  86.23 8.54 180 bottom
J223#10  Conn_01x01  [PinHeader_1x01_P2.54mm_Vertical]  7.27 8.54 180 bottom
J224  Conn_01x01  [PinHeader_1x01_P2.54mm_Vertical]  51.37 8.54 180 bottom
J224#2  Conn_01x01  [PinHeader_1x01_P2.54mm_Vertical]  27.05 8.54 180 bottom
J224#3  Conn_01x01  [PinHeader_1x01_P2.54mm_Vertical]  14.89 8.54 180 bottom
J224#4  Conn_01x01  [PinHeader_1x01_P2.54mm_Vertical]  130.33 8.54 180 bottom
J224#5  Conn_01x01  [PinHeader_1x01_P2.54mm_Vertical]  81.69 8.54 180 bottom
J224#6  Conn_01x01  [PinHeader_1x01_P2.54mm_Vertical]  118.17 8.54 180 bottom
J224#7  Conn_01x01  [PinHeader_1x01_P2.54mm_Vertical]  93.85 8.54 180 bottom
J224#8  Conn_01x01  [PinHeader_1x01_P2.54mm_Vertical]  39.21 8.54 180 bottom
J224#9  Conn_01x01  [PinHeader_1x01_P2.54mm_Vertical]  106.01 8.54 180 bottom
J224#10  Conn_01x01  [PinHeader_1x01_P2.54mm_Vertical]  63.53 8.54 180 bottom
J501  Conn_01x01  [PinHeader_1x01_P2.54mm_Vertical]  27.05 158.4 180 bottom
J501#2  Conn_01x01  [PinHeader_1x01_P2.54mm_Vertical]  14.89 158.4 180 bottom
J501#3  Conn_01x01  [PinHeader_1x01_P2.54mm_Vertical]  81.69 158.4 180 bottom
J501#4  Conn_01x01  [PinHeader_1x01_P2.54mm_Vertical]  39.21 158.4 180 bottom
J501#5  Conn_01x01  [PinHeader_1x01_P2.54mm_Vertical]  118.17 158.4 180 bottom
J501#6  Conn_01x01  [PinHeader_1x01_P2.54mm_Vertical]  106.01 158.4 180 bottom
J501#7  Conn_01x01  [PinHeader_1x01_P2.54mm_Vertical]  63.53 158.4 180 bottom
J501#8  Conn_01x01  [PinHeader_1x01_P2.54mm_Vertical]  93.85 158.4 180 bottom
J501#9  Conn_01x01  [PinHeader_1x01_P2.54mm_Vertical]  130.33 158.4 180 bottom
J501#10  Conn_01x01  [PinHeader_1x01_P2.54mm_Vertical]  51.37 158.4 180 bottom
J502  Conn_01x01  [PinHeader_1x01_P2.54mm_Vertical]  7.27 158.4 180 bottom
J502#2  Conn_01x01  [PinHeader_1x01_P2.54mm_Vertical]  122.71 158.4 180 bottom
J502#3  Conn_01x01  [PinHeader_1x01_P2.54mm_Vertical]  19.43 158.4 180 bottom
J502#4  Conn_01x01  [PinHeader_1x01_P2.54mm_Vertical]  74.07 158.4 180 bottom
J502#5  Conn_01x01  [PinHeader_1x01_P2.54mm_Vertical]  43.75 158.4 180 bottom
J502#6  Conn_01x01  [PinHeader_1x01_P2.54mm_Vertical]  55.91 158.4 180 bottom
J502#7  Conn_01x01  [PinHeader_1x01_P2.54mm_Vertical]  98.39 158.4 180 bottom
J502#8  Conn_01x01  [PinHeader_1x01_P2.54mm_Vertical]  86.23 158.4 180 bottom
J502#9  Conn_01x01  [PinHeader_1x01_P2.54mm_Vertical]  110.55 158.4 180 bottom
J502#10  Conn_01x01  [PinHeader_1x01_P2.54mm_Vertical]  31.59 158.4 180 bottom
J503  Conn_01x01  [PinHeader_1x01_P2.54mm_Vertical]  106.01 155.86 180 bottom
J503#2  Conn_01x01  [PinHeader_1x01_P2.54mm_Vertical]  81.69 155.86 180 bottom
J503#3  Conn_01x01  [PinHeader_1x01_P2.54mm_Vertical]  51.37 155.86 180 bottom
J503#4  Conn_01x01  [PinHeader_1x01_P2.54mm_Vertical]  118.17 155.86 180 bottom
J503#5  Conn_01x01  [PinHeader_1x01_P2.54mm_Vertical]  27.05 155.86 180 bottom
J503#6  Conn_01x01  [PinHeader_1x01_P2.54mm_Vertical]  39.21 155.86 180 bottom
J503#7  Conn_01x01  [PinHeader_1x01_P2.54mm_Vertical]  93.85 155.86 180 bottom
J503#8  Conn_01x01  [PinHeader_1x01_P2.54mm_Vertical]  130.33 155.86 180 bottom
J503#9  Conn_01x01  [PinHeader_1x01_P2.54mm_Vertical]  14.89 155.86 180 bottom
J503#10  Conn_01x01  [PinHeader_1x01_P2.54mm_Vertical]  63.53 155.86 180 bottom
J504  Conn_01x01  [PinHeader_1x01_P2.54mm_Vertical]  122.71 155.86 180 bottom
J504#2  Conn_01x01  [PinHeader_1x01_P2.54mm_Vertical]  110.55 155.86 180 bottom
J504#3  Conn_01x01  [PinHeader_1x01_P2.54mm_Vertical]  74.07 155.86 180 bottom
J504#4  Conn_01x01  [PinHeader_1x01_P2.54mm_Vertical]  43.75 155.86 180 bottom
J504#5  Conn_01x01  [PinHeader_1x01_P2.54mm_Vertical]  19.43 155.86 180 bottom
J504#6  Conn_01x01  [PinHeader_1x01_P2.54mm_Vertical]  86.23 155.86 180 bottom
J504#7  Conn_01x01  [PinHeader_1x01_P2.54mm_Vertical]  7.27 155.86 180 bottom
J504#8  Conn_01x01  [PinHeader_1x01_P2.54mm_Vertical]  55.91 155.86 180 bottom
J504#9  Conn_01x01  [PinHeader_1x01_P2.54mm_Vertical]  98.39 155.86 180 bottom
J504#10  Conn_01x01  [PinHeader_1x01_P2.54mm_Vertical]  31.59 155.86 180 bottom
J505  Conn_01x01  [PinHeader_1x01_P2.54mm_Vertical]  86.23 153.32 180 bottom
J505#2  Conn_01x01  [PinHeader_1x01_P2.54mm_Vertical]  110.55 153.32 180 bottom
J505#3  Conn_01x01  [PinHeader_1x01_P2.54mm_Vertical]  31.59 153.32 180 bottom
J505#4  Conn_01x01  [PinHeader_1x01_P2.54mm_Vertical]  98.39 153.32 180 bottom
J505#5  Conn_01x01  [PinHeader_1x01_P2.54mm_Vertical]  19.43 153.32 180 bottom
